# Allegro board LAY-29615_B4.brd (continued)
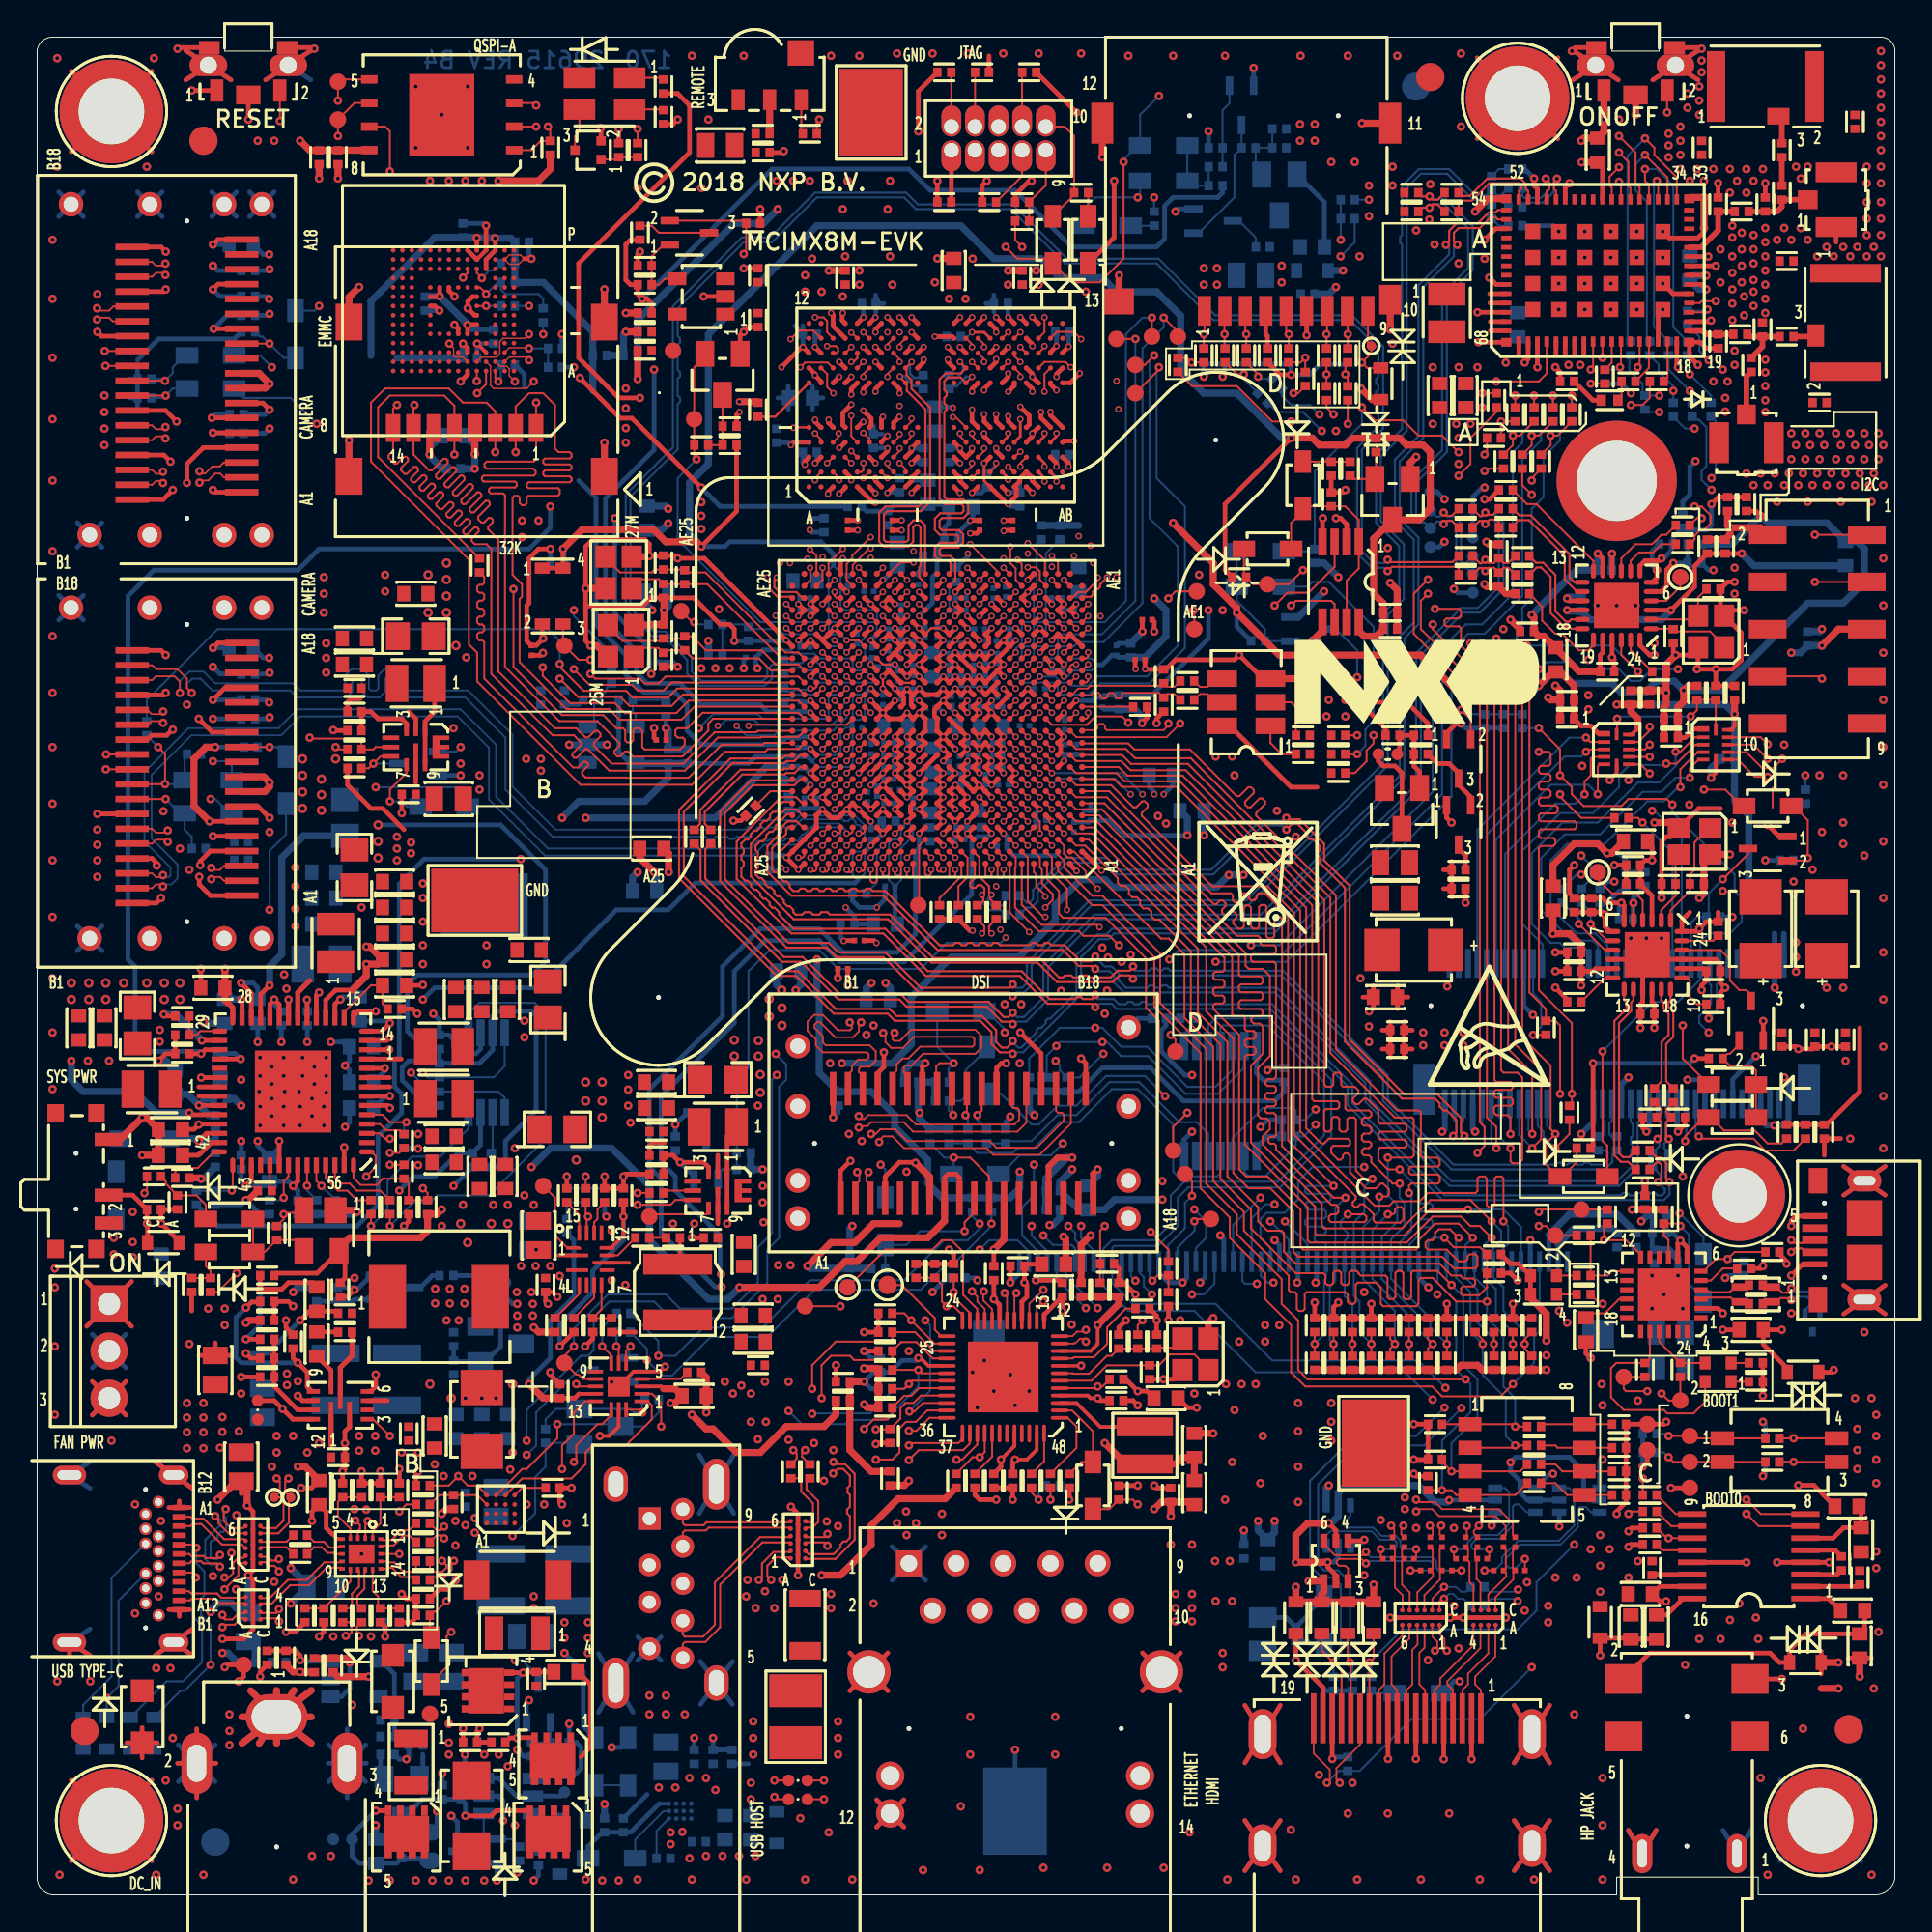
[diagram p0: board, top side]
## Placement (name value [footprint] x y rotation side) (continued)
U1502  NTS0102  [TSSOP8_A]  24.19 44.26 270 bottom
U1601  LDCL015MR  [SOT-23-5]  35.75 86.04 90 top
U1602  IRM-V538/TR1  [RCVR_SM_IRM_V5]  39.43 98.23 0 top
U1701  CP2105  [QFN24_0P5_4X4_EP]  87.57 32.32 180 top
Y401  25MHz  [XTAL4_2P6X2P1MM_SM]  31.43 67.5 90 top
Y402  27MHz  [XTAL4_2P6X2P1MM_SM]  31.3 71.18 90 top
Y403  32.768KHZ  [XTAL_3P4X1P7_SM]  27.75 69.91 270 top
Y501  27MHz  [OSC6_1P27_5P2X3P4]  65.09 64.2 180 top
Y1201  25MHz  [XTAL4_2P6X2P1MM_SM]  62.34 29.1 90 top
Y1301  25MHz  [XTAL4_2P6X2P1MM_SM]  90.11 68.01 90 top
Y1401  25MHz  [XTAL4_2P6X2P1MM_SM]  89.22 56.7 180 top

## Library data of the parts
BH1401-BH1404 = SPACER
BH1405 BH1406 = MOUNT_HOLE
C1-C3 C8 C19 C20 C102 C104-C107 C109 C111-C113 C118-C136 C144-C159 C161-C163 C178-C199 C202-C205 C207-C210 C212-C216 C218 C219 C401 C406 C407 C501 C613 C617 C704 C706 C710 C716 C718 C720 C724 C725 C727 C758 C763 C766 C767 C769 C770 C773 C776 C792 C801-C804 C902 C904-C908 C910 C912 C913 C925 C1002 C1101 C1102 C1304 C1305 C1413-C1415 C1420 C1421 C1509-C1514 C1602 C1604 C1605 C1609 C1611 C1703 C1704 C1802 = CAP_NP: signal model: DEFAULT_CAPACITOR_100000pF_2_1
C4-C7 C9-C12 C1111 C1310 = CAP_NP: signal model: DEFAULT_CAPACITOR_2.2e+06pF_2_1
C13-C18 C116 C165-C176 C618 C702 C703 C707-C709 C713 C731-C734 C738 C739 C741 C742 C744 C745 C752 C753 C760 C761 C775 C778 C790 C791 C923 C924 C1801 = CAP_NP: signal model: DEFAULT_CAPACITOR_2.2e+07pF_2_1
C21-C24 C27-C29 C31 C32 C34-C36 C103 C139 C140 C160 C164 C177 C611 C711 C726 C774 C777 C787 C788 C1109 C1110 C1201 C1203 C1205 C1601 C1603 C1610 C1701 C1706 = CAP_NP: signal model: DEFAULT_CAPACITOR_1e+06pF_2_1
C33 C108 C110 C114 C115 C137 C138 = CAP_NP: signal model: DEFAULT_CAPACITOR_4700pF_2_1
C101 C728 C735 C762 C768 C1401 C1403 C1424 C1431 C1433 C1435 C1437 = CAP_NP: tolerance: 10%; signal model: DEFAULT_CAPACITOR_1e+06pF_2_1
C117 = CAP_NP: signal model: DEFAULT_CAPACITOR_10000pF_2_1
C201 C206 C211 C715 C722 C765 C771 C772 C1001 C1103 C1206 C1208 C1416 = CAP_NP: signal model: DEFAULT_CAPACITOR_1e+07pF_2_1
C217 C601 C605 C614 C717 C723 C901 C903 C911 C914-C916 C1104 C1307-C1309 C1515-C1520 C1705 C1707 = CAP_NP: signal model: DEFAULT_CAPACITOR_4.7e+06pF_2_1
C402-C405 C1429 C1430 = CAP_NP: signal model: DEFAULT_CAPACITOR_18.000000pF_2_1; room: ATLAS-AP
C602-C604 C606 C607 C610 = CAP_NP: tolerance: 10%; signal model: DEFAULT_CAPACITOR_100000pF_2_1
C701 C909 = CAP_NP: signal model: DEFAULT_CAPACITOR_1e+08pF_2_1
C705 C719 C730 C1202 C1204 C1207 C1209 C1211-C1214 C1607 = CAP_NP: signal model: DEFAULT_CAPACITOR_220000pF_2_1
C712 = CAP_NP: signal model: DEFAULT_CAPACITOR_300.000000pF_2_1
C714 C780 C781 C798 C799 C927-C937 C1313 C1314 C1325-C1329 C1439-C1442 C1521-C1530 = CAP_NP
C721 C1216 = CAP_NP: signal model: DEFAULT_CAPACITOR_1000pF_2_1
C729 C736 C737 C740 C743 C747-C749 C751 C754 C755 C757 C759 = CAP_NP: tolerance: 10%; signal model: DEFAULT_CAPACITOR_4.7e+06pF_2_1
C746 C750 C756 C764 = CAP_NP: tolerance: 10%; signal model: DEFAULT_CAPACITOR_470000pF_2_1
C779 = CAP_POL
C789 = CAP_NP: signal model: DEFAULT_CAPACITOR_5.600000pF_2_1
C793 = CAP_NP: signal model: DEFAULT_CAPACITOR_12000pF_2_1
C794 C795 C797 C1606 C1608 = CAP_NP: signal model: DEFAULT_CAPACITOR_4.7e+07pF_2_1
C917-C922 C1003-C1010 = CAP_NP: signal model: DEFAULT_RESISTOR_0.001OHM_2_1
C926 C1315-C1322 = CAP_NP: tolerance: 10%
C1011 C1012 = CAP_NP: tolerance: 10%; signal model: DEFAULT_RESISTOR_0.001OHM_2_1
C1217-C1219 = CAP_NP: signal model: DEFAULT_CAPACITOR_470.000000pF_2_1; room: RGMII_PHY
C1220 C1221 = CAP_NP: signal model: DEFAULT_CAPACITOR_22.000000pF_2_1; room: RGMII_PHY
C1301 C1302 = CAP_NP: signal model: DEFAULT_CAPACITOR_100.000000pF_2_1
C1323 C1324 = CAP_NP: room: ATLAS-AP
C1402 C1422 C1423 C1425 C1426 C1432 C1434 C1436 C1438 = CAP_NP: tolerance: 10%; signal model: DEFAULT_CAPACITOR_10000pF_2_1
C1410-C1412 = CAP_NP: signal model: DEFAULT_CAPACITOR_39.000000pF_2_1
C1417-C1419 = CAP_POL: signal model: DEFAULT_CAPACITOR_2.2e+08pF_2_1
D401 D402 D701-D703 D801 D802 D901-D905 D907 D1001 D1003 D1201 D1303 D1304 D1401-D1404 D1501-D1510 D1608 D1609 D1704 = DIODE_SCHTKY
D704 D705 = DIODE
D706 D910 = ZDIODE
D908 D909 D1602-D1607 = DIODE_TVS
D1301 = LED
D1405 = DIODE_SCHTKY: signal model: DEFAULT_RESISTOR_0.001OHM_2_1
D1601 = LED_DUAL_SEP_RG
D1701 = DZ_DUAL_CK_C1C2A
D1702 D1703 = LED4_DUAL_OG
E1301 E1302 = ANTENNA_ACM3
F901 F902 = FUSE
F1001 = FUSE_RESETTABLE
J401 = CONN_HDR_5X2: User Part Number: 210-07961-00
J601 = CAH11-08163-S107_8P
J801 = CONN_HDR_5X2
J802 = HDR_1X3
J901 = USB24_TYPEC_SH4
J902 = CONN_POWERJACK_3P
J903 = USB_3P0_TYPEA
J1001 = ATOM010130010052_HDMI_19P
J1101 = CONN_AUDIOJACK_6P
J1201 = RJ45_HR851178C
J1301 J1302 = UFL
J1401 = CON_67_FEMALE_RA_A
J1501-J1503 = CONN_IPASS_36P
J1601 = CONN_MICRO_SDCARD_9P
J1701 = MICRO_USB_CONN_11PIN
J1801 = CON_1X60
L101 L901 L1104 L1702 = BEAD_0: signal model: DEFAULT_RESISTOR_120.000000OHM_2_1
L104 = INDUCTOR_3: tolerance: 25%
L701 = INDUCTOR_1: signal model: DEFAULT_INDUCTOR_1500nH_2_1
L702-L705 L707 = INDUCTOR: signal model: DEFAULT_INDUCTOR_1000nH_2_1
L706 = INDUCTOR: tolerance: 20%; signal model: DEFAULT_INDUCTOR_1000nH_2_1
L709 L710 = INDUCTOR: tolerance: 20%; signal model: DEFAULT_INDUCTOR_470.000000nH_2_1
L1201 L1203 L1401 L1402 = BEAD_0: signal model: DEFAULT_RESISTOR_120.000000OHM_2_1; room: RGMII_PHY
L1202 = INDUCTOR: signal model: DEFAULT_INDUCTOR_4700nH_2_1; room: RGMII_PHY
L1301 = INDUCTOR: tolerance: 20%; signal model: DEFAULT_INDUCTOR_2200nH_2_1
L1302-L1305 = INDUCTOR: signal model: DEFAULT_INDUCTOR_1.000000nH_2_1
L1306 L1307 = BEAD_0: room: RGMII_PHY
L1308 L1309 = INDUCTOR: tolerance: 5%
L1703 = DLW43
Q701 Q902 Q906 Q1402 Q1602 = MOSFET_P
Q702 Q703 Q903 Q905 Q907 Q1301 Q1401 Q1403-Q1405 Q1601 Q1603 Q1604 = 2SK3018
Q704 = NMOSFET_3P_ESD_DIODE_1
Q901 Q908-Q910 = MOSFET_P_5P_SO8
Q1001-Q1004 = TRAN_DUAL_NMOS_BSS138
Q1605 = NPN
R101 R215 R411 R412 R510 R511 R616 R621 R715-R717 R719 R721 R724 R731 R743-R745 R749 R755 R819-R822 R904 R919 R926-R929 R1011 R1101-R1104 R1201 R1209 R1210 R1222 R1302 R1304-R1321 R1352-R1355 R1401 R1402 R1405 R1411 R1412 R1417-R1419 R1421-R1426 R1429-R1438 R1441-R1449 R1502 R1603 R1606 R1613 R1615 R1617-R1621 R1701 R1706 R1712-R1716 R1801 = RES: signal model: DEFAULT_RESISTOR_0.001OHM_2_1
R201 R202 = RES: signal model: DEFAULT_RESISTOR_150.000000OHM_2_1
R203-R205 = RES: signal model: DEFAULT_RESISTOR_240.000000OHM_2_1
R206 R207 R402-R404 R601-R603 R620 R714 R718 R720 R732 R754 R835 R837-R839 R914 R916 R920 R931 R1205 R1206 R1213-R1221 R1223 R1224 R1415 R1416 R1450 R1505-R1510 R1519-R1525 = RES: signal model: DEFAULT_RESISTOR_10000OHM_2_1
R208 R408 R410 R804 R805 R807-R816 R823-R834 R836 R840 R841 R917 R932 R934 R1605 R1611 R1612 R1616 = RES: tolerance: 5%; signal model: DEFAULT_RESISTOR_10000OHM_2_1
R209 R210 R415 = RES: signal model: DEFAULT_RESISTOR_1500OHM_2_1
R301-R308 R901 R905-R912 R1704 = RES: signal model: DEFAULT_RESISTOR_4700OHM_2_1
R309 R310 R413 R414 R419 R509 R512 R513 R757-R764 R843 R845 R846 R937-R944 R946-R949 R1002 R1004 R1009 R1212 R1227 R1322-R1330 R1335-R1351 R1356 R1452-R1457 R1459 R1460 R1462 R1464 R1526-R1531 R1622 R1802-R1805 = RES
R401 = RES: tolerance: 1%; signal model: DEFAULT_RESISTOR_1000.000000OHM_2_1
R405 R713 R1208 = RES: signal model: DEFAULT_RESISTOR_100.000000OHM_2_1
R406 R407 R417 R617 R722 R725 = RES: tolerance: 1%; signal model: DEFAULT_RESISTOR_0.001OHM_2_1
R409 R416 R508 R701 R706 R707 R712 R817 R818 R842 R913 R930 R935 R936 R1451 R1501 = RES: signal model: DEFAULT_RESISTOR_100000OHM_2_1
R418 R756 = RES: tolerance: 1%
R501 R502 R504 R506 = RES: signal model: DEFAULT_RESISTOR_200.000000OHM_2_1
R503 R705 = RES: signal model: DEFAULT_RESISTOR_499.000000OHM_2_1
R505 = RES: signal model: DEFAULT_RESISTOR_15000OHM_2_1
R702 = RES: signal model: DEFAULT_RESISTOR_43000OHM_2_1
R703 R1601 = RES: signal model: DEFAULT_RESISTOR_499000OHM_2_1
R704 = RES: signal model: DEFAULT_RESISTOR_3.300000OHM_2_1
R708 R710 = RES: signal model: DEFAULT_RESISTOR_0.0015OHM_2_1
R709 = RES: signal model: DEFAULT_RESISTOR_9530OHM_2_1
R711 R753 = RES: signal model: DEFAULT_RESISTOR_360000OHM_2_1
R723 = RES: signal model: DEFAULT_RESISTOR_470000OHM_2_1
R746 = RES: signal model: DEFAULT_RESISTOR_191000OHM_2_1
R747 = RES: signal model: DEFAULT_RESISTOR_165000OHM_2_1
R748 R1108 R1109 = RES: signal model: DEFAULT_RESISTOR_10.000000OHM_2_1
R752 = RES: signal model: DEFAULT_RESISTOR_180000OHM_2_1
R801-R803 R806 = RES: tolerance: 5%; signal model: DEFAULT_RESISTOR_1000.000000OHM_2_1
R844 R847 R1458 R1461 R1463 = RES: tolerance: 5%
R902 = RES: signal model: DEFAULT_RESISTOR_0.01OHM_2_1
R903 = RES: signal model: DEFAULT_RESISTOR_430000OHM_2_1
R918 = RES: tolerance: 5%; signal model: DEFAULT_RESISTOR_0.001OHM_2_1
R921 = RES: tolerance: 5%; signal model: DEFAULT_RESISTOR_0.01OHM_2_1
R924 R925 R1604 = RES: signal model: DEFAULT_RESISTOR_160000OHM_2_1
R933 = RES: signal model: DEFAULT_RESISTOR_249000OHM_2_1
R1007 = RES: signal model: DEFAULT_RESISTOR_27000OHM_2_1
R1012-R1019 = RES: signal model: DEFAULT_RESISTOR_604.000000OHM_2_1
R1202 R1203 = RES: signal model: DEFAULT_RESISTOR_270.000000OHM_2_1
R1204 = RES: room: RGMII_PHY; signal model: DEFAULT_RESISTOR_1500OHM_2_1
R1207 = RES: signal model: DEFAULT_RESISTOR_2370OHM_2_1
R1211 = RES: signal model: DEFAULT_RESISTOR_2370OHM_2_1; room: RGMII_PHY
R1225 = RES: signal model: DEFAULT_RESISTOR_2490OHM_2_1
R1226 = RES: signal model: DEFAULT_RESISTOR_1200OHM_2_1
R1331-R1334 = RES: signal model: DEFAULT_CAPACITOR_100.000000pF_2_1
R1427 R1428 = RES: signal model: DEFAULT_RESISTOR_49.900000OHM_2_1
R1602 = RES: signal model: DEFAULT_RESISTOR_330000OHM_2_1
R1607 = RES: signal model: DEFAULT_RESISTOR_22000OHM_2_1
R1608 = RES: signal model: DEFAULT_RESISTOR_51.000000OHM_2_1
R1609 R1614 R1702 R1703 R1707 R1708 = RES: signal model: DEFAULT_RESISTOR_1000.000000OHM_2_1
R1610 = RES: signal model: DEFAULT_RESISTOR_47.000000OHM_2_1
SH701-SH704 SH706 SH708 SH709 = RES_SHORT-2_3
SW701 = SW3_RA_SLIDE
SW801 = SW_DIP-4_SM
SW802 = SW_DIP-2
SW1701 SW1702 = NTC501-BG1G-B160T
TP201 TP202 TP401-TP409 TP501 TP502 TP602 TP603 TP701 TP704 TP803 TP804 TP901 TP1601 TP1701-TP1706 TP1709-TP1713 TP1801 TP1802 = T POINT R: Tolerance: TOLERANCE; User Part Number: 510-75618
TP1201 TP1301 TP1401 = Test pad: room: CODEC
TP1202 = Test pad
TP1402-TP1407 = TestLoop
TP1602 TP1707 TP1708 = TESTLOOP
TVS902-TVS905 TVS907 TVS1002-TVS1005 TVS1101 TVS1103 TVS1601 TVS1602 TVS1701 = DIODE_TVS_BIDIR
U101 = MIMX8MQ7DVAJZXA_BGA621
U201 = MT53B768M32D4NQ_200P
U401 U801 = SGM803_SOT23-3P
U601 = MTFC8GACAEAM_VFBGA_0
U603 = MT25QL256ABA1EW9_9P
U701 = MP8756_QFN_0
U702 = MC34PF4210_56P
U703 U1601 = MIC5233_ADJ_SOT23_5P
U704 = UM805_4P
U705 U707 = MP2147GD_1
U706 = MP2263GD_DFN15_0
U802 = 2G125_4
U901 = PTN36043BX_DHXQFN18_23
U902 U908 = PCMF3USB3S_A
U903 U1002 = PCMF2USB3S_10P
U905 = NX5P3090UK_WLCSP12
U906 = NX5P3290_WLCSP16
U907 = PTN5110DHQ
U909 = SGM8709YN5G
U910 = SGM8710_6P
U1001 = PCMF3USB3S_15P
U1101 = WM8524GEDT
U1201 = AR8031_48P_EP
U1301 = LBEE5U91CQ-TEMP
U1302 U1401 = 9FGV0241AKLF_24P
U1402 U1403 = NTBA104GU12_12P
U1501 = NTS0104PW_14P
U1502 = NTB0102_8P
U1602 = IRM-V538
U1701 = CP2105_QFN24P
Y401 Y402 Y1201 Y1301 Y1401 = XTAL_13Y
Y403 = XTAL_OSC_ASH7K_4P
Y501 = NX5427001Z_6P

## Footprints (pads in the part's own frame, mm; a bottom-side part is the same pattern mirrored in y, then rotated)
97C04
  rect 0.762x1.245 smd: 1(-1.905,-3.073) 2(-0.635,-3.073) 3(0.635,-3.073) 4(1.905,-3.073) 5(1.905,3.073) 6(0.635,3.073) 7(-0.635,3.073) 8(-1.905,3.073)
0201_CC
  rect 0.305x0.305 smd: 1(-0.267,0) 2(0.267,0)
0402_CC
  rect 0.457x0.508 smd: 1(-0.375,0) 2(0.375,0)
0603_CC
  rect 0.711x0.838 smd: 1(-0.65,0) 2(0.65,0)
0805_CC
  rect 0.94x1.346 smd: 1(-0.78,0) 2(0.78,0)
1206_CC
  rect 0.94x1.702 smd: 1(-1.4,0) 2(1.4,0)
1210_CC
  rect 0.94x2.591 smd: 1(-1.4,0) 2(1.4,0)
ANTENNA_ACM3_5036_A1
  rect 0.991x3.81 smd: 1(-2.65,0) 2(2.65,0)
  rect 1.2x0.9 smd: 3(0.705,-1.6)
BGA16_0P5_2P15X2P15
  round 0.254 smd: A1(-0.75,0.75) A2(-0.25,0.75) A3(0.25,0.75) A4(0.75,0.75) B1(-0.75,0.25) B2(-0.25,0.25) B3(0.25,0.25) B4(0.75,0.25) C1(-0.75,-0.25) C2(-0.25,-0.25) C3(0.25,-0.25) C4(0.75,-0.25) D1(-0.75,-0.75) D2(-0.25,-0.75) D3(0.25,-0.75) D4(0.75,-0.75)
BGA200_0P65X0P8_10P1X14P6
  round 0.279 smd: A1(-4.4,6.825) A2(-3.6,6.825) A3(-2.8,6.825) A4(-2,6.825) A5(-1.2,6.825) A8(1.2,6.825) A9(2,6.825) A10(2.8,6.825) A11(3.6,6.825) A12(4.4,6.825) AA1(-4.4,-6.175) AA2(-3.6,-6.175) AA3(-2.8,-6.175) AA4(-2,-6.175) AA5(-1.2,-6.175) AA8(1.2,-6.175) AA9(2,-6.175) AA10(2.8,-6.175) AA11(3.6,-6.175) AA12(4.4,-6.175) AB1(-4.4,-6.825) AB2(-3.6,-6.825) AB3(-2.8,-6.825) AB4(-2,-6.825) AB5(-1.2,-6.825) AB8(1.2,-6.825) AB9(2,-6.825) AB10(2.8,-6.825) AB11(3.6,-6.825) AB12(4.4,-6.825) B1(-4.4,6.175) B2(-3.6,6.175) B3(-2.8,6.175) B4(-2,6.175) B5(-1.2,6.175) B8(1.2,6.175) B9(2,6.175) B10(2.8,6.175) B11(3.6,6.175) B12(4.4,6.175) C1(-4.4,5.525) C2(-3.6,5.525) C3(-2.8,5.525) C4(-2,5.525) C5(-1.2,5.525) C8(1.2,5.525) C9(2,5.525) C10(2.8,5.525) C11(3.6,5.525) C12(4.4,5.525) D1(-4.4,4.875) D2(-3.6,4.875) D3(-2.8,4.875) D4(-2,4.875) D5(-1.2,4.875) D8(1.2,4.875) D9(2,4.875) D10(2.8,4.875) D11(3.6,4.875) D12(4.4,4.875) E1(-4.4,4.225) E2(-3.6,4.225) E3(-2.8,4.225) E4(-2,4.225) E5(-1.2,4.225) E8(1.2,4.225) E9(2,4.225) E10(2.8,4.225) E11(3.6,4.225) E12(4.4,4.225) F1(-4.4,3.575) F2(-3.6,3.575) F3(-2.8,3.575) F4(-2,3.575) F5(-1.2,3.575) F8(1.2,3.575) F9(2,3.575) F10(2.8,3.575) F11(3.6,3.575) F12(4.4,3.575) G1(-4.4,2.925) G2(-3.6,2.925) G3(-2.8,2.925) G4(-2,2.925) G5(-1.2,2.925) G8(1.2,2.925) G9(2,2.925) G10(2.8,2.925) G11(3.6,2.925) G12(4.4,2.925) H1(-4.4,2.275) H2(-3.6,2.275) H3(-2.8,2.275) H4(-2,2.275) H5(-1.2,2.275) H8(1.2,2.275) H9(2,2.275) H10(2.8,2.275) H11(3.6,2.275) H12(4.4,2.275) J1(-4.4,1.625) J2(-3.6,1.625) J3(-2.8,1.625) J4(-2,1.625) J5(-1.2,1.625) J8(1.2,1.625) J9(2,1.625) J10(2.8,1.625) J11(3.6,1.625) J12(4.4,1.625) K1(-4.4,0.975) K2(-3.6,0.975) K3(-2.8,0.975) K4(-2,0.975) K5(-1.2,0.975) K8(1.2,0.975) K9(2,0.975) K10(2.8,0.975) K11(3.6,0.975) K12(4.4,0.975) N1(-4.4,-0.975) N2(-3.6,-0.975) N3(-2.8,-0.975) N4(-2,-0.975) N5(-1.2,-0.975) N8(1.2,-0.975) N9(2,-0.975) N10(2.8,-0.975) N11(3.6,-0.975) N12(4.4,-0.975) P1(-4.4,-1.625) P2(-3.6,-1.625) P3(-2.8,-1.625) P4(-2,-1.625) P5(-1.2,-1.625) P8(1.2,-1.625) P9(2,-1.625) P10(2.8,-1.625) P11(3.6,-1.625) P12(4.4,-1.625) R1(-4.4,-2.275) R2(-3.6,-2.275) R3(-2.8,-2.275) R4(-2,-2.275) R5(-1.2,-2.275) R8(1.2,-2.275) R9(2,-2.275) R10(2.8,-2.275) R11(3.6,-2.275) R12(4.4,-2.275) T1(-4.4,-2.925) T2(-3.6,-2.925) T3(-2.8,-2.925) T4(-2,-2.925) T5(-1.2,-2.925) T8(1.2,-2.925) T9(2,-2.925) T10(2.8,-2.925) T11(3.6,-2.925) T12(4.4,-2.925) U1(-4.4,-3.575) U2(-3.6,-3.575) U3(-2.8,-3.575) U4(-2,-3.575) U5(-1.2,-3.575) U8(1.2,-3.575) U9(2,-3.575) U10(2.8,-3.575) U11(3.6,-3.575) U12(4.4,-3.575) V1(-4.4,-4.225) V2(-3.6,-4.225) V3(-2.8,-4.225) V4(-2,-4.225) V5(-1.2,-4.225) V8(1.2,-4.225) V9(2,-4.225) V10(2.8,-4.225) V11(3.6,-4.225) V12(4.4,-4.225) W1(-4.4,-4.875) W2(-3.6,-4.875) W3(-2.8,-4.875) W4(-2,-4.875) W5(-1.2,-4.875) W8(1.2,-4.875) W9(2,-4.875) W10(2.8,-4.875) W11(3.6,-4.875) W12(4.4,-4.875) Y1(-4.4,-5.525) Y2(-3.6,-5.525) Y3(-2.8,-5.525) Y4(-2,-5.525) Y5(-1.2,-5.525) Y8(1.2,-5.525) Y9(2,-5.525) Y10(2.8,-5.525) Y11(3.6,-5.525) Y12(4.4,-5.525)
BGA621_HEATSINK
  round 0.254 hole 3.099 unplated: (-15,-15) (15,15)
  round 0.33 smd: A2(-7.15,7.8) A3(-6.5,7.8) A4(-5.85,7.8) A5(-5.2,7.8) A6(-4.55,7.8) A7(-3.9,7.8) A8(-3.25,7.8) A9(-2.6,7.8) A10(-1.95,7.8) A11(-1.3,7.8) A12(-0.65,7.8) A13(0,7.8) A14(0.65,7.8) A15(1.3,7.8) A16(1.95,7.8) A17(2.6,7.8) A18(3.25,7.8) A19(3.9,7.8) A20(4.55,7.8) A21(5.2,7.8) A22(5.85,7.8) A23(6.5,7.8) A24(7.15,7.8) AA1(-7.8,-5.2) AA2(-7.15,-5.2) AA3(-6.5,-5.2) AA4(-5.85,-5.2) AA5(-5.2,-5.2) AA6(-4.55,-5.2) AA7(-3.9,-5.2) AA8(-3.25,-5.2) AA9(-2.6,-5.2) AA10(-1.95,-5.2) AA11(-1.3,-5.2) AA12(-0.65,-5.2) AA13(0,-5.2) AA14(0.65,-5.2) AA15(1.3,-5.2) AA16(1.95,-5.2) AA17(2.6,-5.2) AA18(3.25,-5.2) AA19(3.9,-5.2) AA20(4.55,-5.2) AA21(5.2,-5.2) AA22(5.85,-5.2) AA23(6.5,-5.2) AA24(7.15,-5.2) AA25(7.8,-5.2) AB1(-7.8,-5.85) AB2(-7.15,-5.85) AB3(-6.5,-5.85) AB4(-5.85,-5.85) AB5(-5.2,-5.85) AB6(-4.55,-5.85) AB7(-3.9,-5.85) AB8(-3.25,-5.85) AB9(-2.6,-5.85) AB10(-1.95,-5.85) AB11(-1.3,-5.85) AB12(-0.65,-5.85) AB13(0,-5.85) AB14(0.65,-5.85) AB15(1.3,-5.85) AB16(1.95,-5.85) AB17(2.6,-5.85) AB18(3.25,-5.85) AB19(3.9,-5.85) AB20(4.55,-5.85) AB21(5.2,-5.85) AB22(5.85,-5.85) AB23(6.5,-5.85) AB24(7.15,-5.85) AB25(7.8,-5.85) AC1(-7.8,-6.5) AC2(-7.15,-6.5) AC3(-6.5,-6.5) AC4(-5.85,-6.5) AC5(-5.2,-6.5) AC6(-4.55,-6.5) AC7(-3.9,-6.5) AC8(-3.25,-6.5) AC9(-2.6,-6.5) AC10(-1.95,-6.5) AC11(-1.3,-6.5) AC12(-0.65,-6.5) AC13(0,-6.5) AC14(0.65,-6.5) AC15(1.3,-6.5) AC16(1.95,-6.5) AC17(2.6,-6.5) AC18(3.25,-6.5) AC19(3.9,-6.5) AC20(4.55,-6.5) AC21(5.2,-6.5) AC22(5.85,-6.5) AC23(6.5,-6.5) AC24(7.15,-6.5) AC25(7.8,-6.5) AD1(-7.8,-7.15) AD2(-7.15,-7.15) AD3(-6.5,-7.15) AD4(-5.85,-7.15) AD5(-5.2,-7.15) AD6(-4.55,-7.15) AD7(-3.9,-7.15) AD8(-3.25,-7.15) AD9(-2.6,-7.15) AD10(-1.95,-7.15) AD11(-1.3,-7.15) AD12(-0.65,-7.15) AD13(0,-7.15) AD14(0.65,-7.15) AD15(1.3,-7.15) AD16(1.95,-7.15) AD17(2.6,-7.15) AD18(3.25,-7.15) AD19(3.9,-7.15) AD20(4.55,-7.15) AD21(5.2,-7.15) AD22(5.85,-7.15) AD23(6.5,-7.15) AD24(7.15,-7.15) AD25(7.8,-7.15) AE2(-7.15,-7.8) AE3(-6.5,-7.8) AE4(-5.85,-7.8) AE5(-5.2,-7.8) AE6(-4.55,-7.8) AE7(-3.9,-7.8) AE8(-3.25,-7.8) AE9(-2.6,-7.8) AE10(-1.95,-7.8) AE11(-1.3,-7.8) AE12(-0.65,-7.8) AE13(0,-7.8) AE14(0.65,-7.8) AE15(1.3,-7.8) AE16(1.95,-7.8) AE17(2.6,-7.8) AE18(3.25,-7.8) AE19(3.9,-7.8) AE20(4.55,-7.8) AE21(5.2,-7.8) AE22(5.85,-7.8) AE23(6.5,-7.8) AE24(7.15,-7.8) B1(-7.8,7.15) B2(-7.15,7.15) B3(-6.5,7.15) B4(-5.85,7.15) B5(-5.2,7.15) B6(-4.55,7.15) B7(-3.9,7.15) B8(-3.25,7.15) B9(-2.6,7.15) B10(-1.95,7.15) B11(-1.3,7.15) B12(-0.65,7.15) B13(0,7.15) B14(0.65,7.15) B15(1.3,7.15) B16(1.95,7.15) B17(2.6,7.15) B18(3.25,7.15) B19(3.9,7.15) B20(4.55,7.15) B21(5.2,7.15) B22(5.85,7.15) B23(6.5,7.15) B24(7.15,7.15) B25(7.8,7.15) C1(-7.8,6.5) C2(-7.15,6.5) C3(-6.5,6.5) C4(-5.85,6.5) C5(-5.2,6.5) C6(-4.55,6.5) C7(-3.9,6.5) C8(-3.25,6.5) C9(-2.6,6.5) C10(-1.95,6.5) C11(-1.3,6.5) C12(-0.65,6.5) C13(0,6.5) C14(0.65,6.5) C15(1.3,6.5) C16(1.95,6.5) C17(2.6,6.5) C18(3.25,6.5) C19(3.9,6.5) C20(4.55,6.5) C21(5.2,6.5) C22(5.85,6.5) C23(6.5,6.5) C24(7.15,6.5) C25(7.8,6.5) D1(-7.8,5.85) D2(-7.15,5.85) D3(-6.5,5.85) D4(-5.85,5.85) D5(-5.2,5.85) D6(-4.55,5.85) D7(-3.9,5.85) D8(-3.25,5.85) D9(-2.6,5.85) D10(-1.95,5.85) D11(-1.3,5.85) D12(-0.65,5.85) D13(0,5.85) D14(0.65,5.85) D15(1.3,5.85) D16(1.95,5.85) D17(2.6,5.85) D18(3.25,5.85) D19(3.9,5.85) D20(4.55,5.85) D21(5.2,5.85) D22(5.85,5.85) D23(6.5,5.85) D24(7.15,5.85) D25(7.8,5.85) E1(-7.8,5.2) E2(-7.15,5.2) E3(-6.5,5.2) E4(-5.85,5.2) E5(-5.2,5.2) E6(-4.55,5.2) E7(-3.9,5.2) E8(-3.25,5.2) E9(-2.6,5.2) E10(-1.95,5.2) E11(-1.3,5.2) E12(-0.65,5.2) E13(0,5.2) E14(0.65,5.2) E15(1.3,5.2) E16(1.95,5.2) E17(2.6,5.2) E18(3.25,5.2) E19(3.9,5.2) E20(4.55,5.2) E21(5.2,5.2) E22(5.85,5.2) E23(6.5,5.2) E24(7.15,5.2) E25(7.8,5.2) F1(-7.8,4.55) F2(-7.15,4.55) F3(-6.5,4.55) F4(-5.85,4.55) F5(-5.2,4.55) F6(-4.55,4.55) F7(-3.9,4.55) F8(-3.25,4.55) F9(-2.6,4.55) F10(-1.95,4.55) F11(-1.3,4.55) F12(-0.65,4.55) F13(0,4.55) F14(0.65,4.55) F15(1.3,4.55) F16(1.95,4.55) F17(2.6,4.55) F18(3.25,4.55) F19(3.9,4.55) F20(4.55,4.55) F21(5.2,4.55) F22(5.85,4.55) F23(6.5,4.55) F24(7.15,4.55) F25(7.8,4.55) G1(-7.8,3.9) G2(-7.15,3.9) G3(-6.5,3.9) G4(-5.85,3.9) G5(-5.2,3.9) G6(-4.55,3.9) G7(-3.9,3.9) G8(-3.25,3.9) G9(-2.6,3.9) G10(-1.95,3.9) G11(-1.3,3.9) G12(-0.65,3.9) G13(0,3.9) G14(0.65,3.9) G15(1.3,3.9) G16(1.95,3.9) G17(2.6,3.9) G18(3.25,3.9) G19(3.9,3.9) G20(4.55,3.9) G21(5.2,3.9) G22(5.85,3.9) G23(6.5,3.9) G24(7.15,3.9) G25(7.8,3.9) H1(-7.8,3.25) H2(-7.15,3.25) H3(-6.5,3.25) H4(-5.85,3.25) H5(-5.2,3.25) H6(-4.55,3.25) H7(-3.9,3.25) H8(-3.25,3.25) H9(-2.6,3.25) H10(-1.95,3.25) H11(-1.3,3.25) H12(-0.65,3.25) H13(0,3.25) H14(0.65,3.25) H15(1.3,3.25) H16(1.95,3.25) H17(2.6,3.25) H18(3.25,3.25) H19(3.9,3.25) H20(4.55,3.25) H21(5.2,3.25) H22(5.85,3.25) H23(6.5,3.25) H24(7.15,3.25) H25(7.8,3.25) J1(-7.8,2.6) J2(-7.15,2.6) J3(-6.5,2.6) J4(-5.85,2.6) J5(-5.2,2.6) J6(-4.55,2.6) J7(-3.9,2.6) J8(-3.25,2.6) J9(-2.6,2.6) J10(-1.95,2.6) J11(-1.3,2.6) J12(-0.65,2.6) J13(0,2.6) J14(0.65,2.6) J15(1.3,2.6) J16(1.95,2.6) J17(2.6,2.6) J18(3.25,2.6) J19(3.9,2.6) J20(4.55,2.6) J21(5.2,2.6) J22(5.85,2.6) J23(6.5,2.6) J24(7.15,2.6) J25(7.8,2.6) K1(-7.8,1.95) K2(-7.15,1.95) K3(-6.5,1.95) K4(-5.85,1.95) K5(-5.2,1.95) K6(-4.55,1.95) K7(-3.9,1.95) K8(-3.25,1.95) K9(-2.6,1.95) K10(-1.95,1.95) K11(-1.3,1.95) K12(-0.65,1.95) K13(0,1.95) K14(0.65,1.95) K15(1.3,1.95) K16(1.95,1.95) K17(2.6,1.95) K18(3.25,1.95) K19(3.9,1.95) K20(4.55,1.95) K21(5.2,1.95) K22(5.85,1.95) K23(6.5,1.95) K24(7.15,1.95) K25(7.8,1.95) L1(-7.8,1.3) L2(-7.15,1.3) L3(-6.5,1.3) L4(-5.85,1.3) L5(-5.2,1.3) L6(-4.55,1.3) L7(-3.9,1.3) L8(-3.25,1.3) L9(-2.6,1.3) L10(-1.95,1.3) L11(-1.3,1.3) L12(-0.65,1.3) L13(0,1.3) L14(0.65,1.3) L15(1.3,1.3) L16(1.95,1.3) L17(2.6,1.3) L18(3.25,1.3) L19(3.9,1.3) L20(4.55,1.3) L21(5.2,1.3) L22(5.85,1.3) L23(6.5,1.3) L24(7.15,1.3) L25(7.8,1.3) M1(-7.8,0.65) M2(-7.15,0.65) M3(-6.5,0.65) M4(-5.85,0.65) M5(-5.2,0.65) M6(-4.55,0.65) M7(-3.9,0.65) M8(-3.25,0.65) M9(-2.6,0.65) M10(-1.95,0.65) M11(-1.3,0.65) M12(-0.65,0.65) M13(0,0.65) M14(0.65,0.65) M15(1.3,0.65) M16(1.95,0.65) M17(2.6,0.65) M18(3.25,0.65) M19(3.9,0.65) M20(4.55,0.65) M21(5.2,0.65) M22(5.85,0.65) M23(6.5,0.65) M24(7.15,0.65) M25(7.8,0.65) N1(-7.8,0) N2(-7.15,0) N3(-6.5,0) N4(-5.85,0) N5(-5.2,0) N6(-4.55,0) N7(-3.9,0) N8(-3.25,0) N9(-2.6,0) N10(-1.95,0) N11(-1.3,0) N12(-0.65,0) N13(0,0) N14(0.65,0) N15(1.3,0) N16(1.95,0) N17(2.6,0) N18(3.25,0) N19(3.9,0) N20(4.55,0) N21(5.2,0) N22(5.85,0) N23(6.5,0) N24(7.15,0) N25(7.8,0) P1(-7.8,-0.65) P2(-7.15,-0.65) P3(-6.5,-0.65) P4(-5.85,-0.65) P5(-5.2,-0.65) P6(-4.55,-0.65) P7(-3.9,-0.65) P8(-3.25,-0.65) P9(-2.6,-0.65) P10(-1.95,-0.65) P11(-1.3,-0.65) P12(-0.65,-0.65) P13(0,-0.65) P14(0.65,-0.65) P15(1.3,-0.65) P16(1.95,-0.65) P17(2.6,-0.65) P18(3.25,-0.65) P19(3.9,-0.65) P20(4.55,-0.65) P21(5.2,-0.65) P22(5.85,-0.65) P23(6.5,-0.65) P24(7.15,-0.65) P25(7.8,-0.65) R1(-7.8,-1.3) R2(-7.15,-1.3) R3(-6.5,-1.3) R4(-5.85,-1.3) R5(-5.2,-1.3) R6(-4.55,-1.3) R7(-3.9,-1.3) R8(-3.25,-1.3) R9(-2.6,-1.3) R10(-1.95,-1.3) R11(-1.3,-1.3) R12(-0.65,-1.3) R13(0,-1.3) R14(0.65,-1.3) R15(1.3,-1.3) R16(1.95,-1.3) R17(2.6,-1.3) R18(3.25,-1.3) R19(3.9,-1.3) R20(4.55,-1.3) R21(5.2,-1.3) R22(5.85,-1.3) R23(6.5,-1.3) R24(7.15,-1.3) R25(7.8,-1.3) T1(-7.8,-1.95) T2(-7.15,-1.95) T3(-6.5,-1.95) T4(-5.85,-1.95) T5(-5.2,-1.95) T6(-4.55,-1.95) T7(-3.9,-1.95) T8(-3.25,-1.95) T9(-2.6,-1.95) T10(-1.95,-1.95) T11(-1.3,-1.95) T12(-0.65,-1.95) T13(0,-1.95) T14(0.65,-1.95) T15(1.3,-1.95) T16(1.95,-1.95) T17(2.6,-1.95) T18(3.25,-1.95) T19(3.9,-1.95) T20(4.55,-1.95) T21(5.2,-1.95) T22(5.85,-1.95) T23(6.5,-1.95) T24(7.15,-1.95) T25(7.8,-1.95) U1(-7.8,-2.6) U2(-7.15,-2.6) U3(-6.5,-2.6) U4(-5.85,-2.6) U5(-5.2,-2.6) U6(-4.55,-2.6) U7(-3.9,-2.6) U8(-3.25,-2.6) U9(-2.6,-2.6) U10(-1.95,-2.6) U11(-1.3,-2.6) U12(-0.65,-2.6) U13(0,-2.6) U14(0.65,-2.6) U15(1.3,-2.6) U16(1.95,-2.6) U17(2.6,-2.6) U18(3.25,-2.6) U19(3.9,-2.6) U20(4.55,-2.6) U21(5.2,-2.6) U22(5.85,-2.6) U23(6.5,-2.6) U24(7.15,-2.6) U25(7.8,-2.6) V1(-7.8,-3.25) V2(-7.15,-3.25) V3(-6.5,-3.25) V4(-5.85,-3.25) V5(-5.2,-3.25) V6(-4.55,-3.25) V7(-3.9,-3.25) V8(-3.25,-3.25) V9(-2.6,-3.25) V10(-1.95,-3.25) V11(-1.3,-3.25) V12(-0.65,-3.25) V13(0,-3.25) V14(0.65,-3.25) V15(1.3,-3.25) V16(1.95,-3.25) V17(2.6,-3.25) V18(3.25,-3.25) V19(3.9,-3.25) V20(4.55,-3.25) V21(5.2,-3.25) V22(5.85,-3.25) V23(6.5,-3.25) V24(7.15,-3.25) V25(7.8,-3.25) W1(-7.8,-3.9) W2(-7.15,-3.9) W3(-6.5,-3.9) W4(-5.85,-3.9) W5(-5.2,-3.9) W6(-4.55,-3.9) W7(-3.9,-3.9) W8(-3.25,-3.9) W9(-2.6,-3.9) W10(-1.95,-3.9) W11(-1.3,-3.9) W12(-0.65,-3.9) W13(0,-3.9) W14(0.65,-3.9) W15(1.3,-3.9) W16(1.95,-3.9) W17(2.6,-3.9) W18(3.25,-3.9) W19(3.9,-3.9) W20(4.55,-3.9) W21(5.2,-3.9) W22(5.85,-3.9) W23(6.5,-3.9) W24(7.15,-3.9) W25(7.8,-3.9) Y1(-7.8,-4.55) Y2(-7.15,-4.55) Y3(-6.5,-4.55) Y4(-5.85,-4.55) Y5(-5.2,-4.55) Y6(-4.55,-4.55) Y7(-3.9,-4.55) Y8(-3.25,-4.55) Y9(-2.6,-4.55) Y10(-1.95,-4.55) Y11(-1.3,-4.55) Y12(-0.65,-4.55) Y13(0,-4.55) Y14(0.65,-4.55) Y15(1.3,-4.55) Y16(1.95,-4.55) Y17(2.6,-4.55) Y18(3.25,-4.55) Y19(3.9,-4.55) Y20(4.55,-4.55) Y21(5.2,-4.55) Y22(5.85,-4.55) Y23(6.5,-4.55) Y24(7.15,-4.55) Y25(7.8,-4.55)
C035S
  round 0.889 smd: 1(0,0)
CC0402_25
  round 0.635 smd: 1(-0.508,0) 2(0.508,0)
CC0603_OV
  oval 0.889x1.143 smd: 1(-0.762,0) 2(0.762,0)
CC1210
  rect 1.778x2.845 smd: 1(-1.397,0) 2(1.397,0)
CC3528-21
  rect 1.905x2.286 smd: 1(-1.714,0) 2(1.714,0)
CON2X5_SKT_100_SM
  rect 2.032x0.991 smd: 1(2.667,5.08) 2(-2.667,5.08) 3(2.667,2.54) 4(-2.667,2.54) 5(2.667,0) 6(-2.667,0) 7(2.667,-2.54) 8(-2.667,-2.54) 9(2.667,-5.08) 10(-2.667,-5.08)
CON3_DC_PWR_JACK_TH
  round 0.254 hole 1.6 unplated: (0,-7)
  oval 3.327x2.438 hole 2.692x1.803: 1(0,0)
  oval 1.651x3.302 hole 1.016x2.007: 2(-4.3,-2.5) 3(3.8,-2.5)
